# Altium PCB IPC_V3S_0.1.PcbDoc (part 1 of 2)
Units mil, origin at the board's own origin, x right, y up, seen from the top; angles counter-clockwise.
Board outline 2206.03 x 1507.04 mil, 4 copper layers (Top Layer, signal, vcc, Bottom Layer), stack 70.112 mil thick; 139 components, 125 nets, 631 pads, 200 vias.
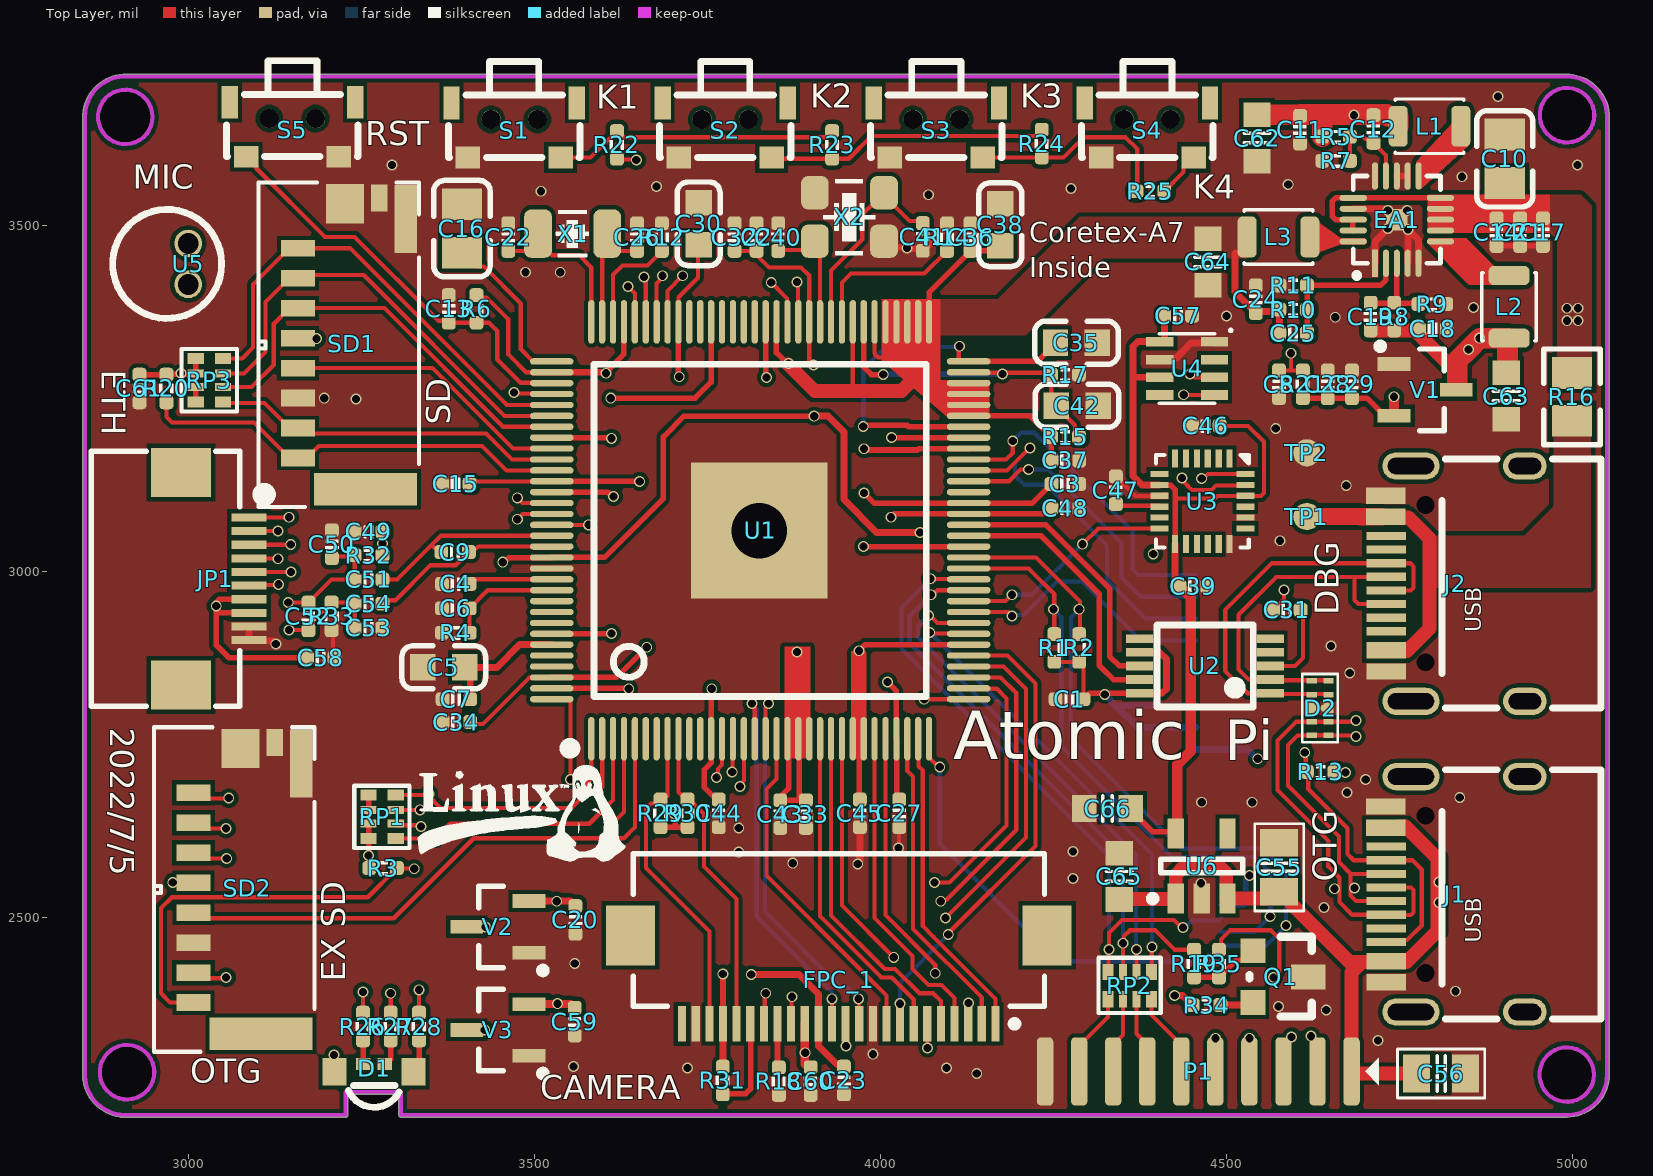
[diagram p0: Top Layer view]
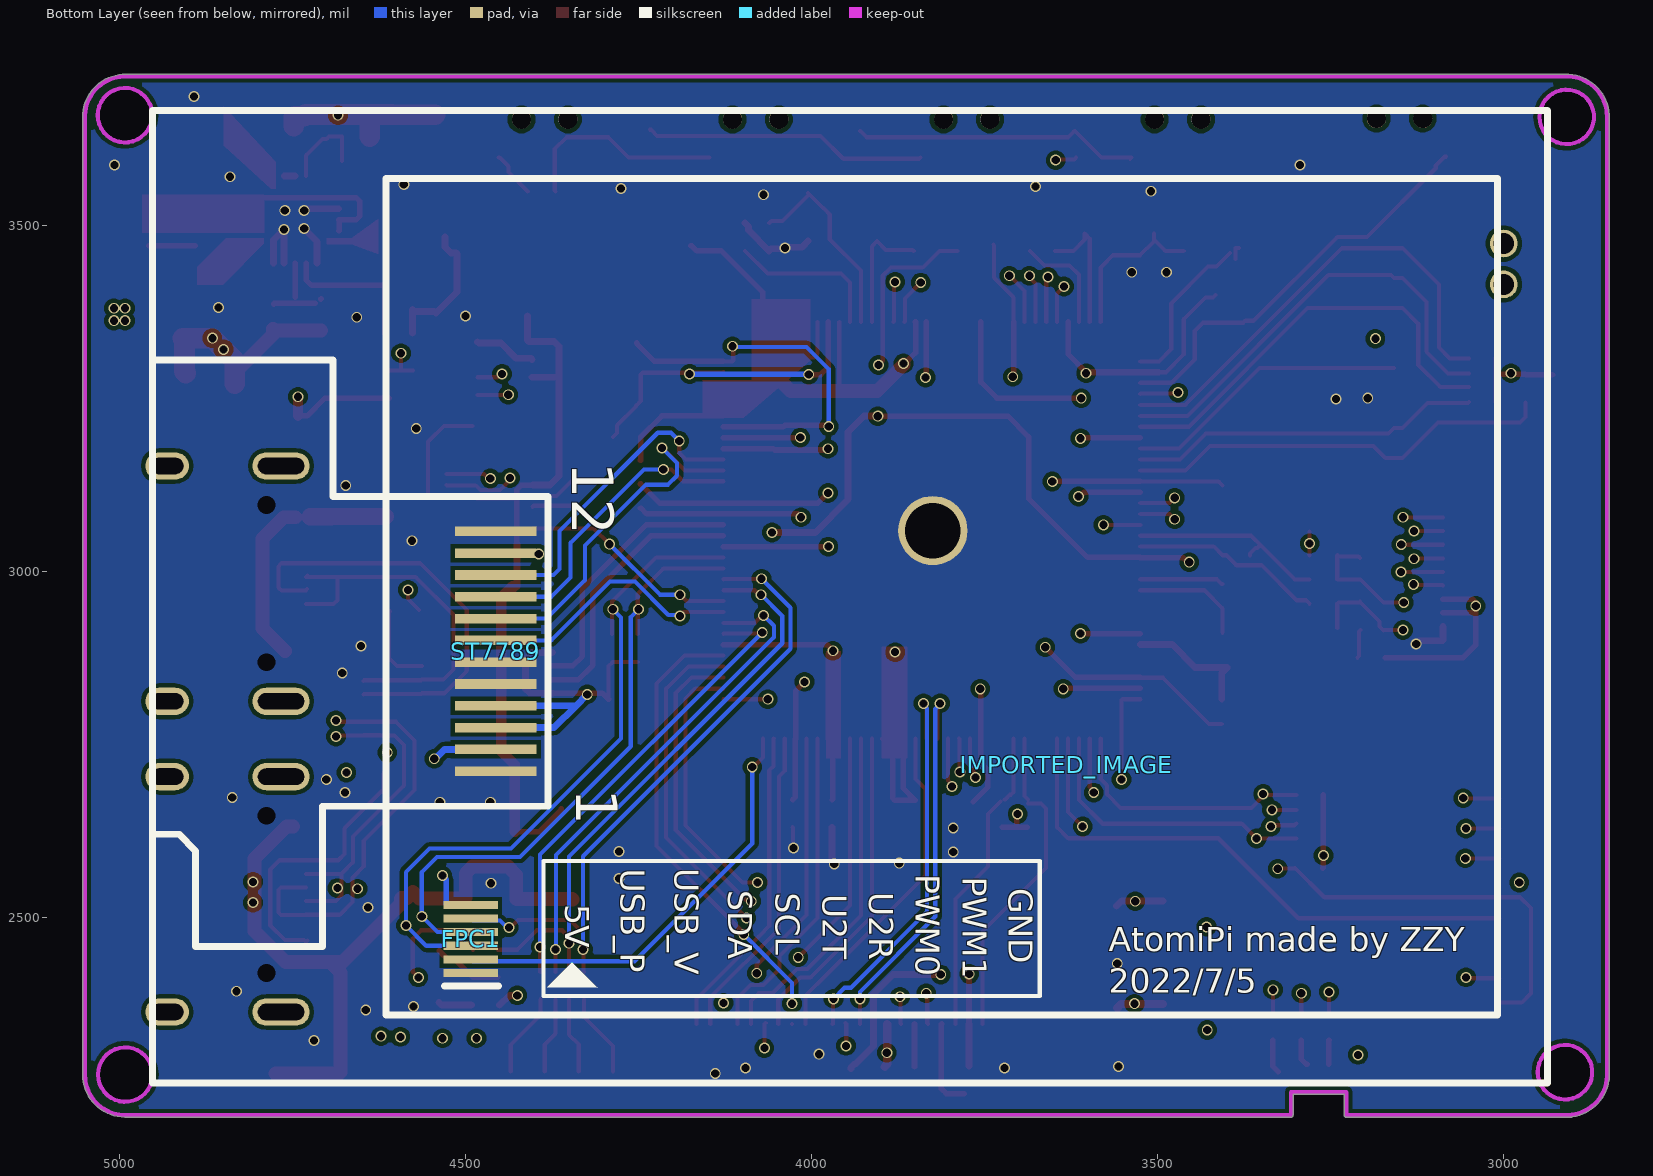
[diagram p1: Bottom Layer view, seen from below]
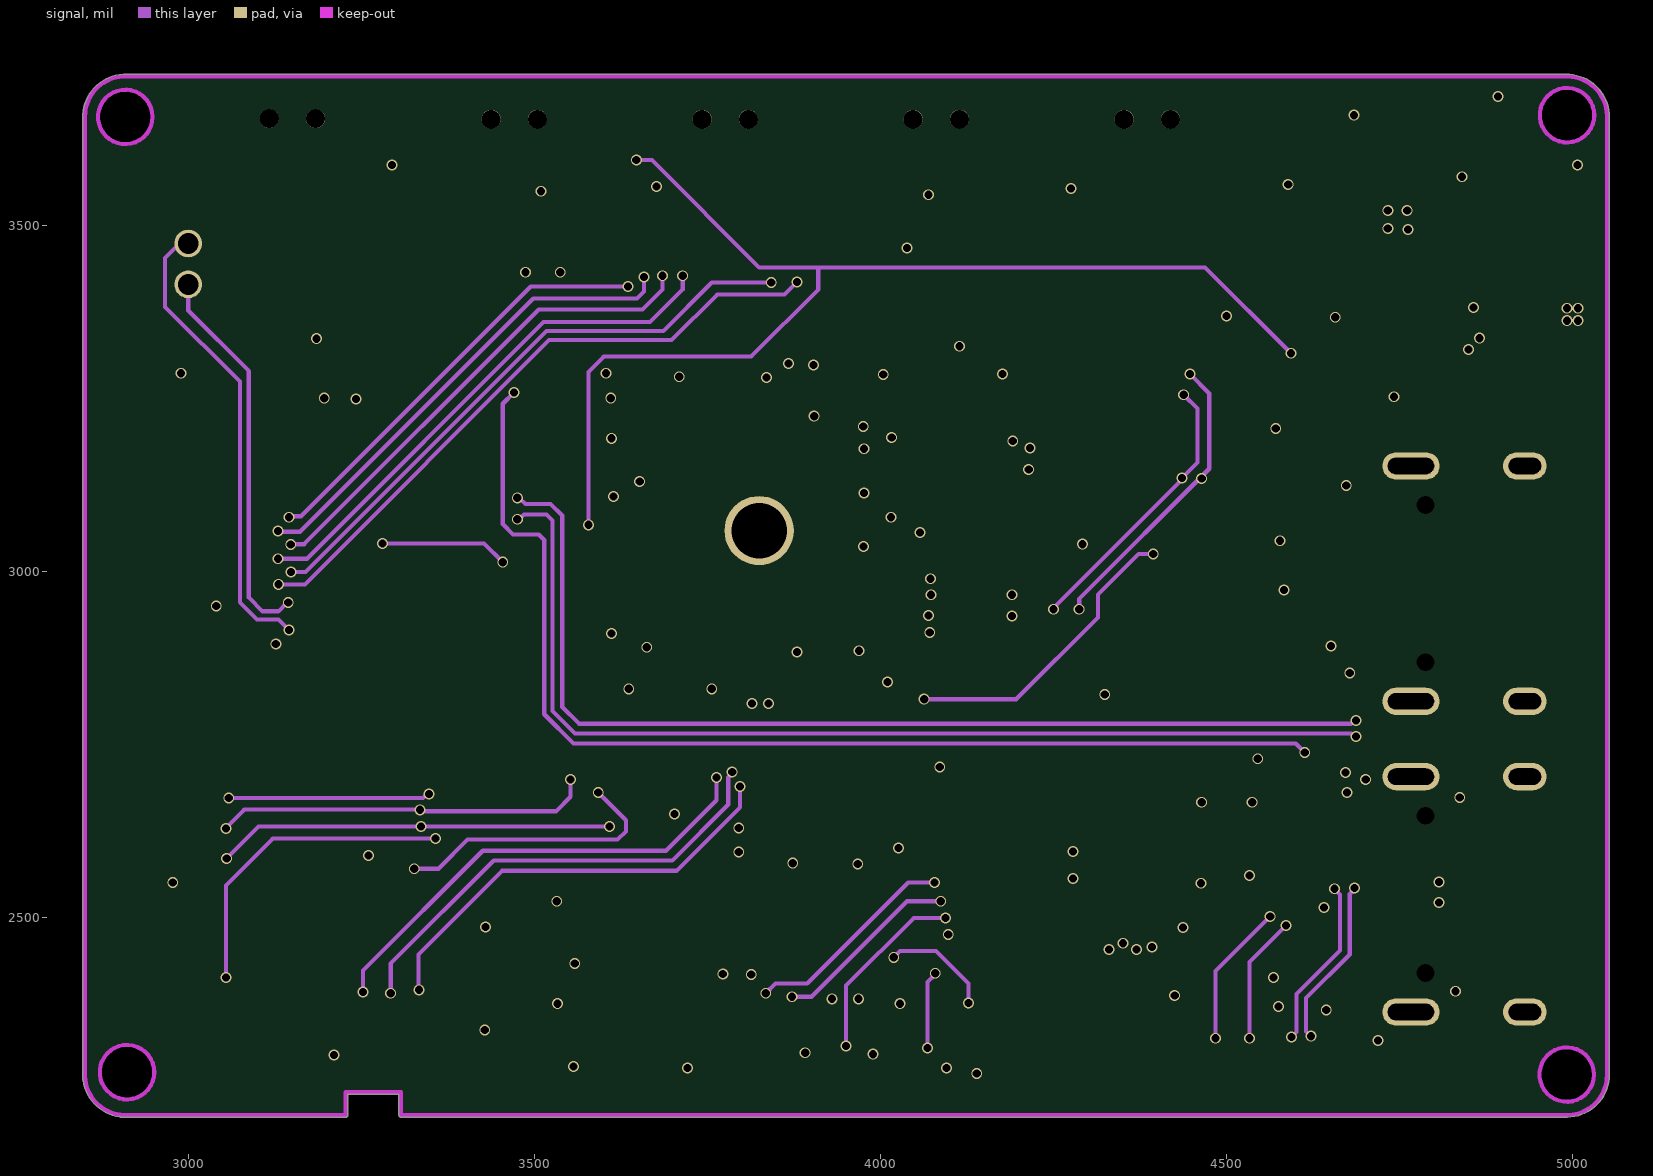
[diagram p2: signal]
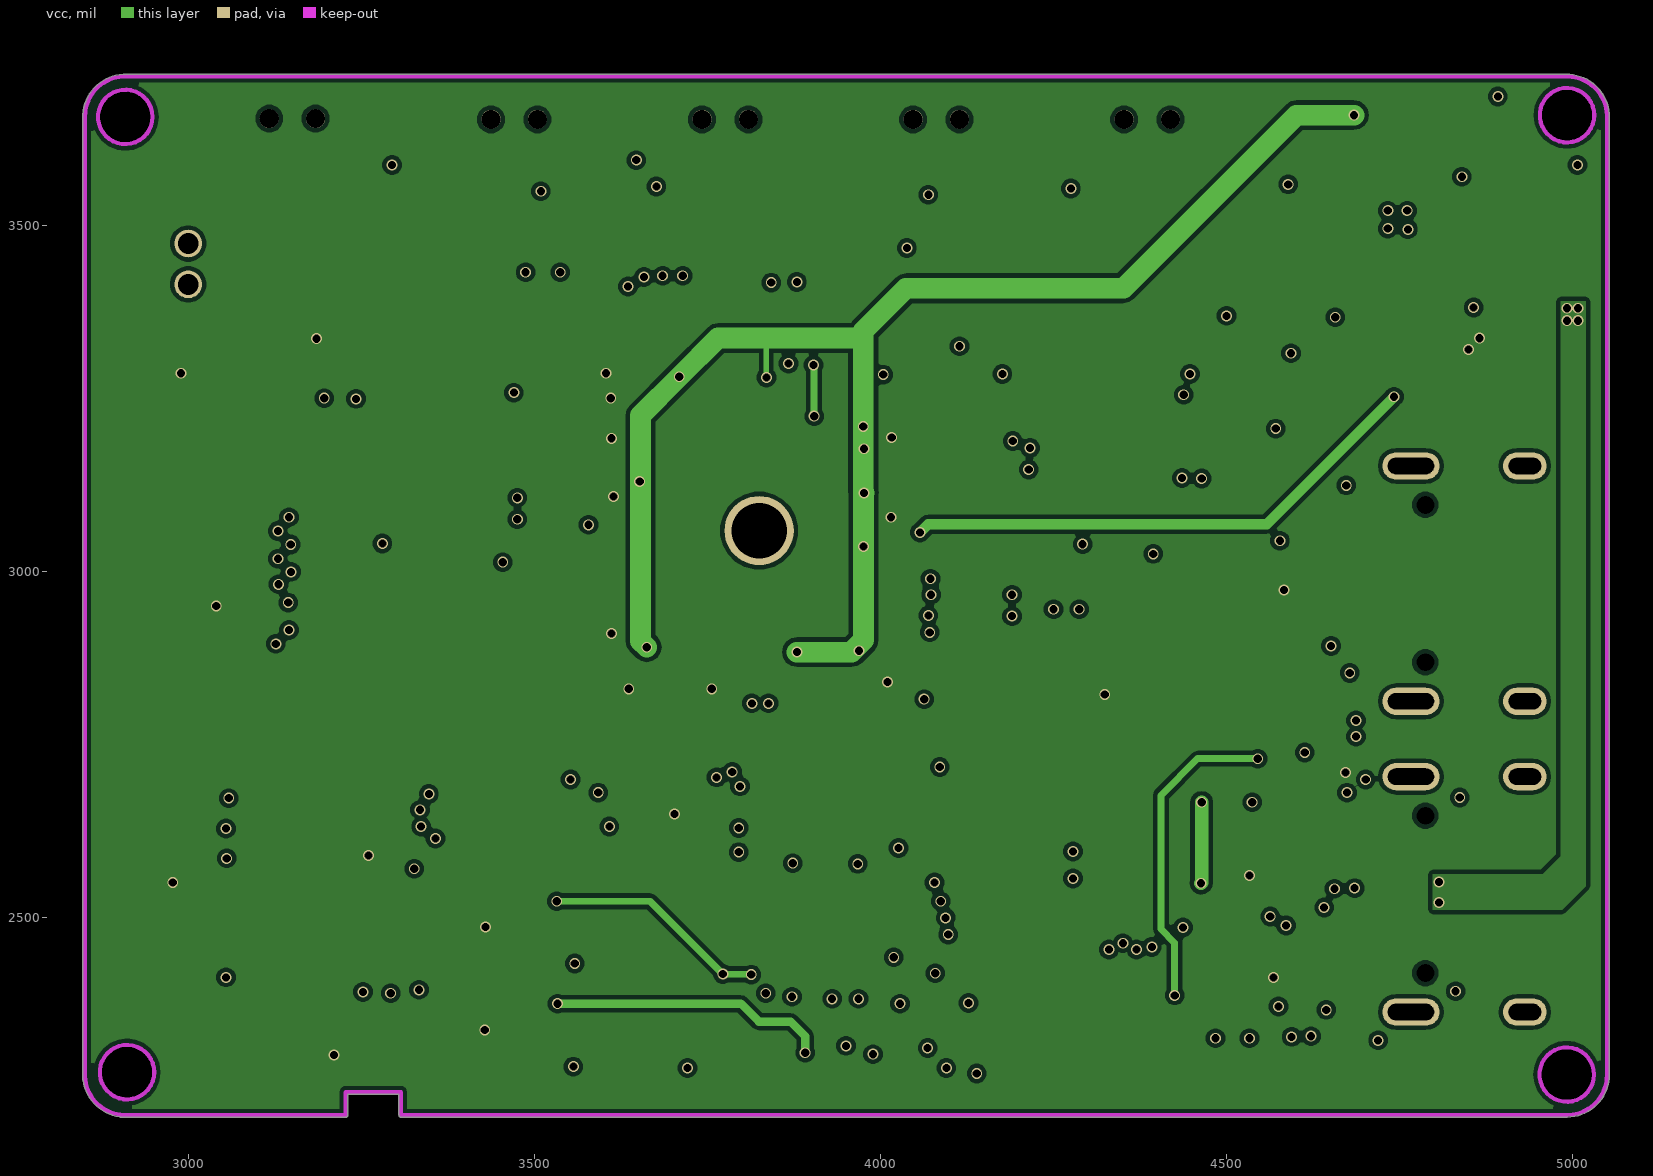
[diagram p3: vcc]
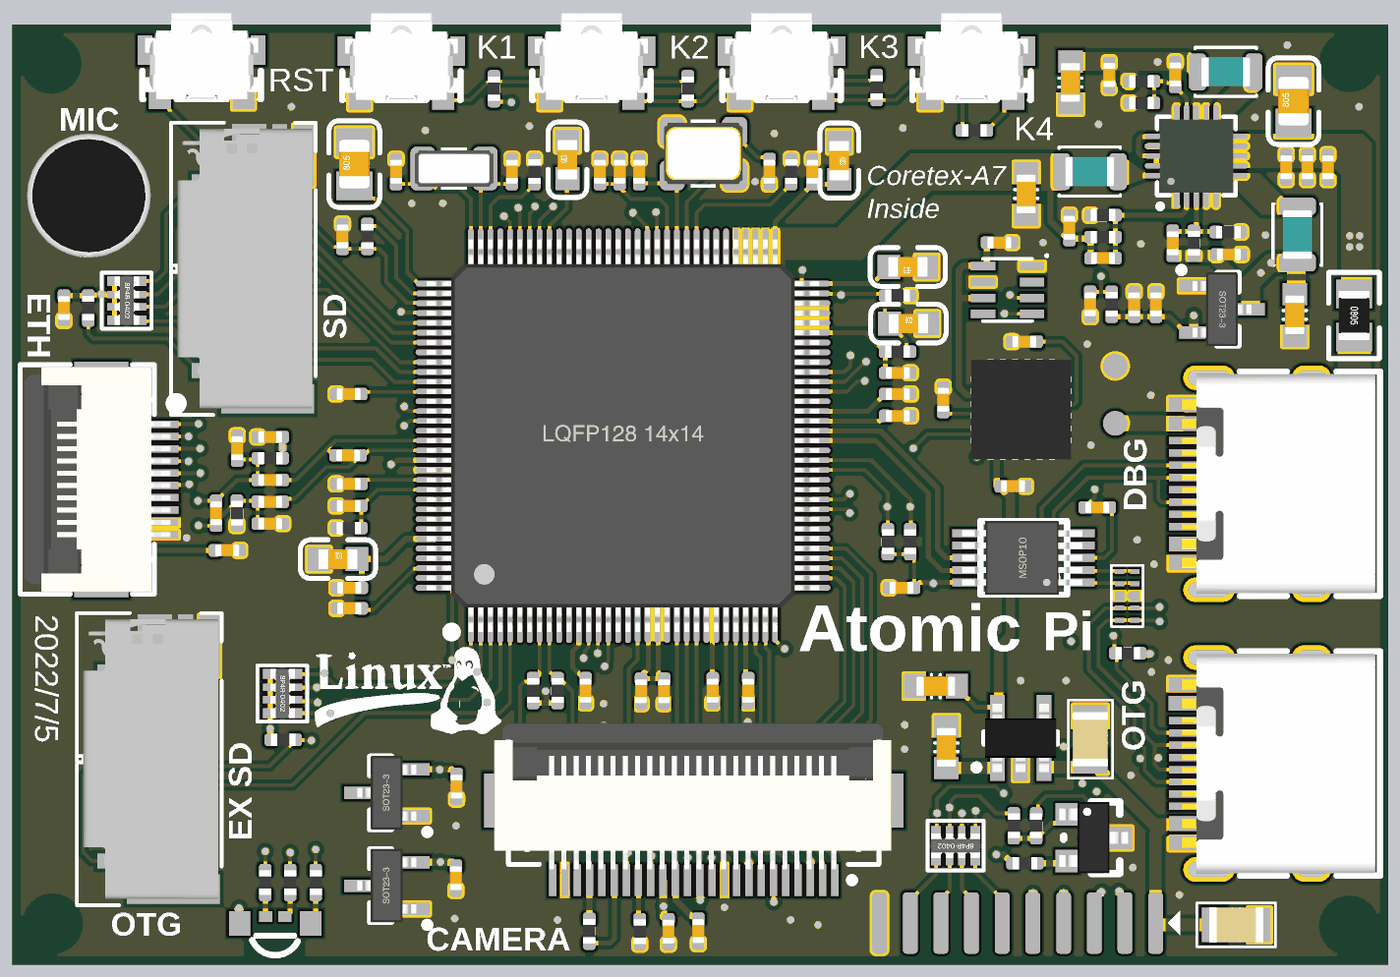
[diagram p5: 3D render of the assembled board from above, using the file's embedded part models]

## Layer stack, top to bottom
Top Solder: solder mask 1, SM-001, Dk 4
Top Layer: signal copper 1.378
Dielectric 2: prepreg 2.8, PP-006, Dk 4.1
signal: signal copper 1.378
Dielectric 1: core 59, Core-043, Dk 4.3
vcc: signal copper 1.378
Dielectric 3: prepreg 2.8, PP-006, Dk 4.1
Bottom Layer: signal copper 1.378
Bottom Solder: solder mask 1, SM-001, Dk 4

## Board outline
2900.26,2211.54 ccw(c2902,2214) 2902,2210.99 2908,2210.99 ccw(c2908.5,2272.5) 2909.01,2210.99 ccw(c2908.51,2271.91) 2909.03,2210.99 2909.01,2210.99 3227,2210.99 ccw(c3227,2214) 3230.01,2214 3230.01,2243.99 3303.99,2243.99 3303.99,2214 ccw(c3307,2214) 3307,2210.99 4992,2210.99 ccw(c4992,2214) 4992.19,2210.99 ccw(c4991.5,2272.5) 5053.02,2272.5 ccw(c4996.72,2272.53) 5053.01,2273.02 5053.02,3660 ccw(c5050,3660) 5052.85,3660.99 ccw(c4991.5,3656.5) 4995.97,3717.85 ccw(c4995,3715) 4995,3718.01 4992,3718.01 ccw(c4991.5,3656.5) 4990.99,3718.01 ccw(c4990.98,3718) 4990.97,3718.01 4990.99,3718.01 2906,3718.01 ccw(c2906,3715.01) 2905.31,3717.93 ccw(c2908.5,3656.5) 2847.07,3659.69 ccw(c2850,3659) 2846.99,3659 2846.99,3657.01 ccw(c2908.5,3656.5) 2846.99,3655.99 2846.99,2266 ccw(c2850,2266) 2847.54,2264.25 ccw(c2908.5,2272.5)
cut-out: 4952.13,2272.5 ccw(c4991.5,2272.5) 4991.5,2233.13 ccw(c4991.5,2272.5) 5030.87,2272.5 ccw(c4991.5,2272.5) 4991.5,2311.87 ccw(c4991.5,2272.5)
cut-out: 4952.63,3659 ccw(c4992,3659) 4992,3619.63 ccw(c4992,3659) 5031.37,3659 ccw(c4992,3659) 4992,3698.37 ccw(c4992,3659)
cut-out: 2908.5,3617.13 cw(c2908.5,3656.5) 2869.13,3656.5 cw(c2908.5,3656.5) 2908.5,3695.87 cw(c2908.5,3656.5) 2947.87,3656.5 cw(c2908.5,3656.5)
cut-out: 2871.63,2276 ccw(c2911,2276) 2911,2236.63 ccw(c2911,2276) 2950.37,2276 ccw(c2911,2276) 2911,2315.37 ccw(c2911,2276)
cut-out: 2871.63,2276 ccw(c2911,2276) 2911,2236.63 ccw(c2911,2276) 2950.37,2276 ccw(c2911,2276) 2911,2315.37 ccw(c2911,2276)

## Design rules (kind name [scope] priority, off if disabled: settings)
Clearance [All] p1: gap=6 ignorepadtopadclearanceinfootprint=FALSE
DiffPairsRouting [All] p1: maxlimit=10 minlimit=8 mostfreqgap=8 toplayer_minwidth=6 toplayer_maxwidth=15 toplayer_prefwidth=6 midlayer1_minwidth=6 midlayer1_maxwidth=15 midlayer1_prefwidth=6 midlayer2_minwidth=6 midlayer2_maxwidth=15 midlayer2_prefwidth=6 bottomlayer_minwidth=6 bottomlayer_maxwidth=15 bottomlayer_prefwidth=6 maxuncoupledlength=500
PolygonConnect [All] p1: connectstyle=Direct reliefconductorwidth=10 reliefentries=4 polygonreliefangle="90 Angle" airgapwidth=10
RoutingVias [All] p1: holewidth=11.81 width=15.75 viastyle="Through Hole" minholewidth=11.81 minwidth=15.75 maxholewidth=11.81 maxwidth=15.75
SolderMaskExpansion [All] p1: expansion=4 istentingtop=FALSE
Width [All] p1: maxlimit=30 minlimit=6 preferedwidth=10
29 further rules are at their usual default settings.

## Classes and differential pairs
differential pair USB: +USB_P -USB_N

## Components (designator, comment, footprint, x,y, rotation, side; value= is the part's Value field where it differs from the comment)
C1 "104" CAP_0402 4273,2815 r0 top
C2 "104" CAP_0402 3820.8,3482.87 r90 top
C3 "105" CAP_0402 4267,3126 r0 top
C4 "105" CAP_0402 3386.06,2981.67 r180 top
C5 "106" 0603_C#1 3369,2861 r0 top
C6 "106" CAP_0402 3386.06,2946.33 r180 top
C7 "104" CAP_0402 3387,2815 r0 top
C8 "106" CAP_0402 4575.8,3270.15 r270 top
C9 "104" CAP_0402 3385.04,3027.67 r180 top
C10 "106" 0805_C 4902,3596 r90 top
C11 "106" CAP_0402 4606.24,3638 r90 top
C12 "18PF" CAP_0402 4712.24,3639 r270 top
C13 "104" CAP_0402 3376,3379 r90 top
C14 "106" CAP_0402 4890.24,3490 r270 top
C15 "104" CAP_0402 3386,3126 r0 top
C16 "106" 0805_C 3395,3495 r90 top
C17 "106" CAP_0402 4957.24,3490 r270 top
C18 "106" CAP_0402 4798.24,3350 r180 top
C19 "18PF" CAP_0402 4708.24,3368 r90 top
C20 "104" CAP_0402 3559,2496 r270 top
C21 "106" CAP_0402 4924.24,3490 r270 top
C22 "10PF" CAP_0402 3462,3482.87 r90 top
C23 "106" CAP_0402 3947,2264 r270 top
C24 "106" CAP_0402 4542.24,3393 r270 top
C25 "18PF" CAP_0402 4596.24,3344 r0 top
C26 "10PF" CAP_0402 3648,3482.87 r90 top
C27 "104" CAP_0402 4027,2650 r270 top
C28 "104" CAP_0402 4646.24,3270 r90 top
C29 "106" CAP_0402 4681.24,3270 r90 top
C30 "106" 0603_C#2 3737,3502 r90 top
C31 "104" CAP_0402 4587,2944 r0 top
C32 "104" CAP_0402 3789,3482.87 r90 top
C33 "104" CAP_0402 3892,2649 r90 top
C34 "105" CAP_0402 3387,2782 r0 top
C35 "106" 0603_C#2 4283,3330 r180 top
C36 "104" CAP_0402 4130,3482.87 r270 top
C37 "105" CAP_0402 4267,3160 r180 top
C38 "106" 0603_C#2 4173.04,3500.58 r270 top
C39 "104" CAP_0402 4452,2978 r180 top
C40 "18p" CAP_0402 3852,3482.87 r90 top
C41 "18p" CAP_0402 4061,3483 r270 top
C42 "106" 0603_C#2 4284,3239 r0 top
C43 "104" CAP_0402 3855,2649 r90 top
C44 "104" CAP_0402 3766,2650 r90 top
C45 "104" CAP_0402 3970,2650 r90 top
C46 "10nf" CAP_0402 4470,3210 r0 top
C47 "104" CAP_0402 4340,3117 r270 top
C48 "104" CAP_0402 4267,3091 r180 top
C49 "1u" CAP_0402 3260,3057 r180 top
C50 "33p" CAP_0402 3207,3039 r270 top
C51 "104" CAP_0402 3260,2988 r0 top
C52 "100p" CAP_0402 3173.22,2934.57 r270 top
C53 "33p" CAP_0402 3260,2918 r180 top
C54 "104" CAP_0402 3260,2953 r0 top
C55 "10uf" 0805-C 4576,2572 r270 top value=1nF
C56 "10uf" 0805-C 4810,2274 r180 top value=1nF
C57 "104" CAP_0402 4430,3369 r0 top
C58 "104" CAP_0402 3191,2875 r180 top
C59 "104" CAP_0402 3558,2349 r270 top
C60 "106" CAP_0402 3899,2263 r270 top
C61 "104" CAP_0402 2929,3264 r90 top
C62 "104" 0603-C 4544,3626 r270 top
C63 "104" 0603-C 4904,3253 r270 top
C64 "104" 0603-C 4473,3447 r270 top
C65 "104" 0603-C 4345,2559 r270 top
C66 "104" 0603-C 4328,2657 r0 top
D1 "LED" LED-ARRAY-SMD_HS-1204-RGB 3268,2282 r180 top
D2 "AESD0524P" "RCLAMP0524 SEMTECH" 4634.45,2802.2 r90 top
EA1 "电源管理IC" "QFN20 3x3_M" 4746,3508 r0 top
FPC1 "FH34SRJ-6S-0.5SH(50)" 0.5mm*6p 4492,2419.32 r0 bottom
FPC_1 "FPC_24" FPC_24 3940,2478 r180 top